# Allegro board visualscope011.brd (continued)
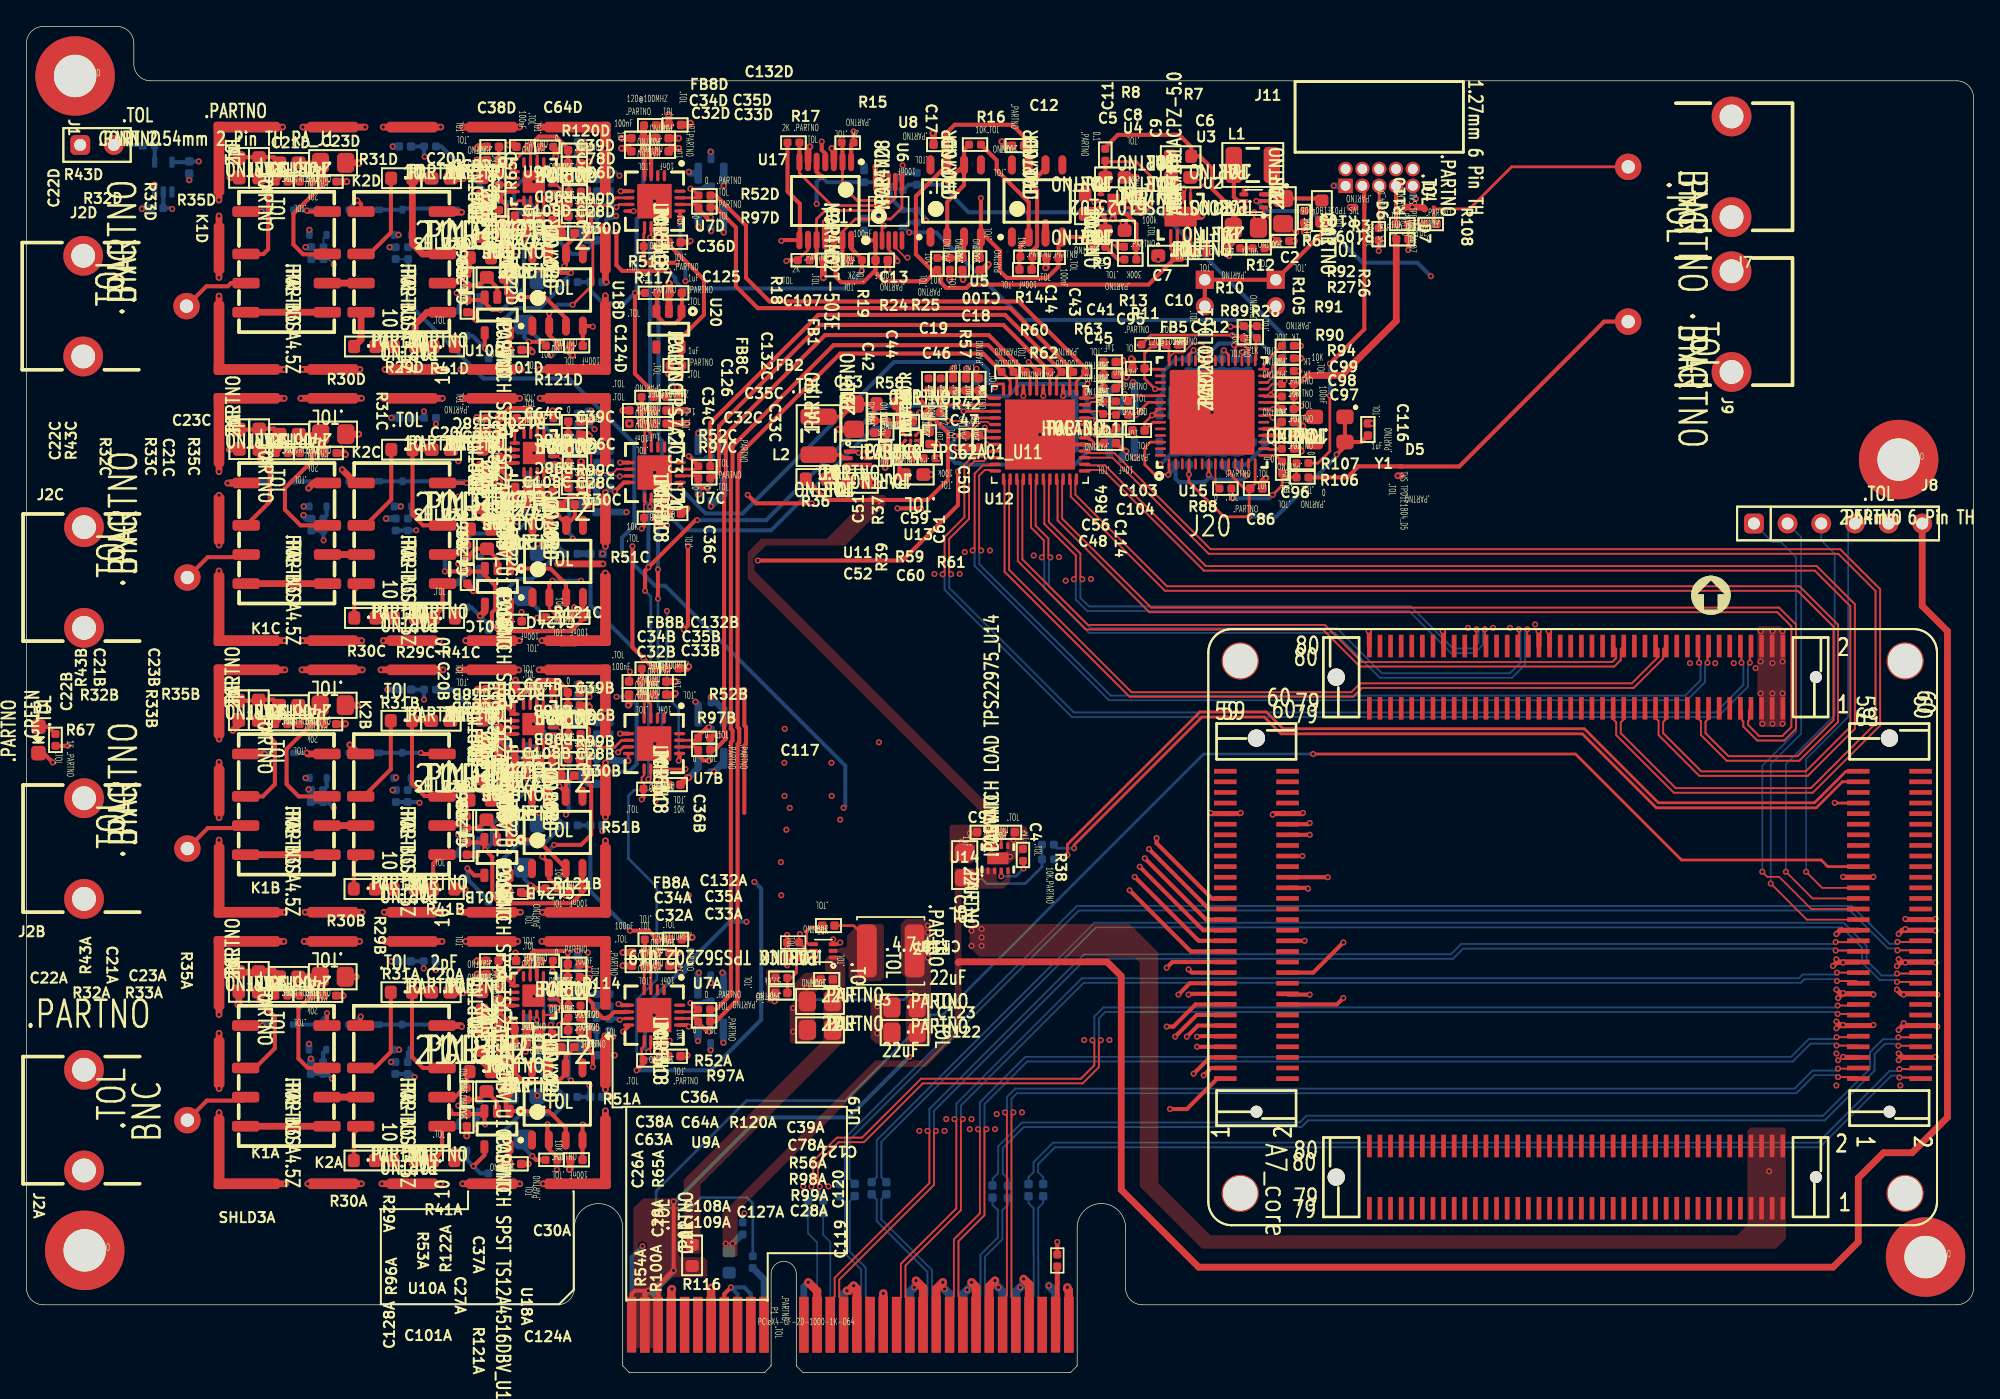
[diagram p0: board, top side]
## Placement (name value [footprint] x y rotation side) (continued)
R41C  10  [GEN_R_0603]  31.53 56.96 180 top
R41D  10  [GEN_R_0603]  31.52 77.44 180 top
R42  10K  [GEN_R_0402]  68.5 72.45 180 top
R43A  10  [GEN_R_0603]  17.53 29.49 270 top
R43B  10  [GEN_R_0603]  17.53 49.99 270 top
R43C  10  [GEN_R_0603]  17.56 70.45 270 top
R43D  10  [GEN_R_0603]  17.55 90.93 270 top
R44  10K  [GEN_R_0402]  68.38 72.25 180 bottom
R46  10K  [GEN_R_0402]  71.91 70.28 270 bottom
R47A  10K  [GEN_R_0402]  22.39 22.99 270 bottom
R47B  10K  [GEN_R_0402]  22.39 43.51 270 bottom
R47C  10K  [GEN_R_0402]  22.4 64 270 bottom
R47D  10K  [GEN_R_0402]  22.42 84.49 270 bottom
R48A  10K  [GEN_R_0402]  28.78 22.99 270 bottom
R48B  10K  [GEN_R_0402]  28.78 43.51 270 bottom
R48C  10K  [GEN_R_0402]  28.79 64.01 270 bottom
R48D  10K  [GEN_R_0402]  28.8 84.49 270 bottom
R49A  10K  [GEN_R_0402]  21.46 22.99 270 bottom
R49B  10K  [GEN_R_0402]  21.46 43.51 270 bottom
R49C  10K  [GEN_R_0402]  21.5 64 270 bottom
R49D  10K  [GEN_R_0402]  21.49 84.49 270 bottom
R50A  10K  [GEN_R_0402]  27.84 22.99 270 bottom
R50B  10K  [GEN_R_0402]  27.88 43.51 270 bottom
R50C  10K  [GEN_R_0402]  27.86 64.01 270 bottom
R50D  10K  [GEN_R_0402]  27.86 84.49 270 bottom
R51A  10K  [GEN_R_0402]  47.02 23.56 0 top
R51B  10K  [GEN_R_0402]  47.02 44.06 0 top
R51C  10K  [GEN_R_0402]  47.05 64.52 0 top
R51D  10K  [GEN_R_0402]  47.04 85 0 top
R52A  0  [GEN_R_0402]  51.14 27.41 0 top
R52B  0  [GEN_R_0402]  51.14 47.9 0 top
R52C  0  [GEN_R_0402]  51.16 68.4 0 top
R52D  0  [GEN_R_0402]  51.17 88.85 0 top
R53A  30  [GEN_R_0603]  34.24 22.71 0 top
R53B  30  [GEN_R_0603]  34.24 43.21 0 top
R53C  30  [GEN_R_0603]  34.28 63.66 0 top
R53D  30  [GEN_R_0603]  34.26 84.15 0 top
R54A  30  [GEN_R_0603]  34.38 25.07 90 top
R54B  30  [GEN_R_0603]  34.38 45.57 90 top
R54C  30  [GEN_R_0603]  34.42 66.03 90 top
R54D  30  [GEN_R_0603]  34.4 86.51 90 top
R55A  100k  [GEN_R_0402]  37.72 26.31 270 bottom
R55B  100k  [GEN_R_0402]  37.74 46.82 270 bottom
R55C  100k  [GEN_R_0402]  37.74 67.32 270 bottom
R55D  100k  [GEN_R_0402]  37.74 87.82 270 bottom
R56A  0  [GEN_R_0402]  41.36 28.77 0 top
R56B  0  [GEN_R_0402]  41.36 49.26 0 top
R56C  0  [GEN_R_0402]  41.4 69.72 0 top
R56D  0  [GEN_R_0402]  41.39 90.21 0 top
R57  100  [GEN_R_0402]  74.04 75.53 180 top
R58  0.01  [GEN_R_0603]  64.96 73.13 0 top
R59  261K  [GEN_R_0402]  66.34 69.01 180 top
R60  100  [GEN_R_0402]  75.86 75.53 180 top
R61  100k  [GEN_R_0402]  68.16 69.01 180 top
R62  100  [GEN_R_0402]  77.67 75.53 180 top
R63  100  [GEN_R_0402]  79.45 75.53 180 top
R64  100  [GEN_R_0402]  81.25 72.81 90 top
R65A  909k  [GEN_R_0402]  35.65 28.64 90 top
R65B  909k  [GEN_R_0402]  35.65 49.14 90 top
R65C  909k  [GEN_R_0402]  35.69 69.6 90 top
R65D  909k  [GEN_R_0402]  35.67 90.08 90 top
R66  10K  [GEN_R_0402]  54.05 10.87 270 bottom
R67  1K  [GEN_R_0402]  2.18 47.75 270 top
R84  49.9  [GEN_R_0402]  54.81 8.33 270 bottom
R86  0  [GEN_R_0402]  77.8 8.46 270 top
R87  0.01  [GEN_R_0603]  53.03 8.33 90 bottom
R88  0  [GEN_R_0402]  90.49 66.73 0 top
R89  10K  [GEN_R_0402]  91.88 78.54 270 top
R90  10K  [GEN_R_0402]  95.2 73.67 0 top
R91  10K  [GEN_R_0402]  95.2 74.61 0 top
R92  1K  [GEN_R_0402]  95.2 77.5 180 top
R93  1K  [GEN_R_0402]  95.17 72.68 180 bottom
R94  1K  [GEN_R_0402]  95.2 72.73 180 top
R96A  909k  [GEN_R_0402]  33.24 21.04 90 top
R96B  909k  [GEN_R_0402]  33.24 41.54 90 top
R96C  909k  [GEN_R_0402]  33.27 62 90 top
R96D  909k  [GEN_R_0402]  33.26 82.49 90 top
R97A  0  [GEN_R_0402]  51.14 26.5 0 top
R97B  0  [GEN_R_0402]  51.14 47 0 top
R97C  0  [GEN_R_0402]  51.16 67.5 0 top
R97D  0  [GEN_R_0402]  51.17 87.95 0 top
R98A  90.9k  [GEN_R_0402]  41.36 27.7 180 top
R98B  90.9k  [GEN_R_0402]  41.36 48.2 180 top
R98C  90.9k  [GEN_R_0402]  41.4 68.66 180 top
R98D  90.9k  [GEN_R_0402]  41.39 89.14 180 top
R99A  90.9k  [GEN_R_0402]  41.33 26.78 0 top
R99B  90.9k  [GEN_R_0402]  41.33 47.28 0 top
R99C  90.9k  [GEN_R_0402]  41.36 67.74 0 top
R99D  90.9k  [GEN_R_0402]  41.35 88.23 0 top
R100A  2K  [GEN_R_0402]  35.75 24.83 270 top
R100B  2K  [GEN_R_0402]  35.76 45.22 270 top
R100C  2K  [GEN_R_0402]  35.92 65.86 270 top
R100D  2K  [GEN_R_0402]  35.9 86.35 270 top
R101  10K  [GEN_R_0402]  77.09 39.84 180 bottom
R102  10K  [GEN_R_0402]  77.1 38.73 180 bottom
R103  10K  [GEN_R_0402]  102.06 85.93 270 top
R105  100k  [GEN_R_0402]  94.84 85.41 180 top
R106  0  [GEN_R_0402]  96.3 67.56 180 top
R107  0  [GEN_R_0402]  96.3 68.64 180 top
R108  0  [GEN_R_0402]  105.99 86.69 180 top
R109  0  [GEN_R_0402]  103.83 86.69 0 top
R110  10K  [GEN_R_0402]  103.83 85.55 0 top
R111  1K  [GEN_R_0402]  95.17 71.73 180 bottom
R113  57.6k  [GEN_R_0402]  56.97 29.79 180 top
R114  10K  [GEN_R_0402]  57.86 31.32 0 top
R115  10K  [GEN_R_0402]  57.86 32.46 180 top
R116  0.01  [GEN_R_0603]  50.24 8.84 90 top
R117  0.1  [GEN_R_0402]  47.13 81.5 0 top
R118A  1K  [GEN_R_0402]  43.03 28.12 90 bottom
R118B  1K  [GEN_R_0402]  43.05 48.63 90 bottom
R118C  1K  [GEN_R_0402]  43.08 69.13 90 bottom
R118D  1K  [GEN_R_0402]  43.05 89.62 90 bottom
R119A  1K  [GEN_R_0402]  44.01 28.12 270 bottom
R119B  1K  [GEN_R_0402]  44.02 48.63 270 bottom
R119C  1K  [GEN_R_0402]  44.04 69.13 270 bottom
R119D  1K  [GEN_R_0402]  44.03 89.62 270 bottom
R120A  0  [GEN_R_0402]  39.28 31.08 180 top
R120B  0  [GEN_R_0402]  39.28 51.57 180 top
R120C  0  [GEN_R_0402]  39.32 72.03 180 top
R120D  0  [GEN_R_0402]  39.31 92.52 180 top
R121A  10K  [GEN_R_0402]  39.62 16.05 0 top
R121B  10K  [GEN_R_0402]  39.62 36.55 0 top
R121C  10K  [GEN_R_0402]  39.66 57.01 0 top
R121D  10K  [GEN_R_0402]  39.65 77.5 0 top
R122A  90.9k  [GEN_R_0402]  36.23 22.91 270 top
R122B  90.9k  [GEN_R_0402]  36.23 43.41 270 top
R122C  90.9k  [GEN_R_0402]  36.27 63.87 270 top
R122D  90.9k  [GEN_R_0402]  36.26 84.35 270 top
R123A  DNP  [GEN_R_0402]  39.59 16.05 180 bottom
R123B  DNP  [GEN_R_0402]  39.62 36.55 180 bottom
R123C  DNP  [GEN_R_0402]  39.62 57.05 180 bottom
R123D  DNP  [GEN_R_0402]  39.61 77.56 180 bottom
R124A  5K  [BOU_3MM_POT]  37.55 19.29 0 bottom
R124B  5K  [BOU_3MM_POT]  37.58 39.8 0 bottom
R124C  5K  [BOU_3MM_POT]  37.58 60.3 0 bottom
R124D  5K  [BOU_3MM_POT]  37.58 80.8 0 bottom
R125A  10K  [GEN_R_0402]  35.31 15.04 0 bottom
R125B  10K  [GEN_R_0402]  35.32 35.53 0 bottom
R125C  10K  [GEN_R_0402]  35.33 56.04 0 bottom
R125D  10K  [GEN_R_0402]  35.33 76.54 0 bottom
R126A  10K  [GEN_R_0402]  33.26 20.13 90 bottom
R126B  10K  [GEN_R_0402]  33.27 40.61 90 bottom
R126C  10K  [GEN_R_0402]  33.27 61.12 90 bottom
R126D  10K  [GEN_R_0402]  33.29 81.64 90 bottom
R127A  10K  [GEN_R_0402]  34.2 20.13 90 bottom
R127B  10K  [GEN_R_0402]  34.23 40.61 90 bottom
R127C  10K  [GEN_R_0402]  34.23 61.12 90 bottom
R127D  10K  [GEN_R_0402]  34.23 81.64 90 bottom
SHLD3A  2118728-2  [TE_2118728-2]  29.11 23.39 0 top
SHLD3B  2118728-2  [TE_2118728-2]  29.12 43.89 0 top
SHLD3C  2118728-2  [TE_2118728-2]  29.11 64.39 0 top
SHLD3D  2118728-2  [TE_2118728-2]  29.11 84.86 0 top
U1  SN74LVC1G17  [GEN_SC-70-5]  10.32 90.23 90 bottom
U2  IC BOOST TPS61023_U2  [TI_SOT563_DRL0006A]  92.62 88.43 180 top
U3  ADM7171ACPZ-5.0  [AD_DFN8_CP-8-21]  87.11 87.25 90 top
U4  LM27761  [TI_WSON8_DSG0008A]  82.04 88.18 0 top
U5  OP07CDR  [TI_SOIC8_D0008A]  76.28 88.43 90 top
U6  MCP4728  [MC_MSOP10_UN]  65.07 87.66 90 top
U7A  LMH6518  [TI_WQFN_RGH0016A]  47.37 26.97 270 top
U7B  LMH6518  [TI_WQFN_RGH0016A]  47.37 47.47 270 top
U7C  LMH6518  [TI_WQFN_RGH0016A]  47.41 67.93 270 top
U7D  LMH6518  [TI_WQFN_RGH0016A]  47.4 88.42 270 top
U8  OP07CDR  [TI_SOIC8_D0008A]  70.13 88.43 90 top
U9A  BUF802  [TI_VQFN_RGT0016C]  38.26 28.45 0 top
U9B  BUF802  [TI_VQFN_RGT0016C]  38.26 48.95 0 top
U9C  BUF802  [TI_VQFN_RGT0016C]  38.3 69.41 0 top
U9D  BUF802  [TI_VQFN_RGT0016C]  38.29 89.89 0 top
U10A  IC SWITCH SPST TS12A4516DBV_U10  [GEN_SOT23_5_950_2900X1600X1450]  35.51 18.38 270 top
U10B  IC SWITCH SPST TS12A4516DBV_U10  [GEN_SOT23_5_950_2900X1600X1450]  35.51 38.87 270 top
U10C  IC SWITCH SPST TS12A4516DBV_U10  [GEN_SOT23_5_950_2900X1600X1450]  35.55 59.33 270 top
U10D  IC SWITCH SPST TS12A4516DBV_U10  [GEN_SOT23_5_950_2900X1600X1450]  35.53 79.82 270 top
U11  IC BUCK TPS62A01_U11  [TI_SOT563_DRL0006A]  62.77 69.01 0 top
U12  HMCAD1511  [AD_QFN48_LP7]  76.49 70.8 0 top
U13  LD57100JR  [ST_FLIPCHIP6]  66.73 70.55 90 top
U14  IC SWITCH LOAD TPS22975_U14  [TI_WSON8_DSG0008A]  73.32 38.81 90 top
U15  ZL30260LDG1  [MC_QFN56_ZL30260]  89.48 72.48 90 top
U17  MCP4432T-503E  [MC_TSSOP14]  60.29 88.43 270 top
U18A  OP07CDR  [TI_SOIC8_D0008A]  40.06 20.27 90 top
U18B  OP07CDR  [TI_SOIC8_D0008A]  40.06 40.77 90 top
U18C  OP07CDR  [TI_SOIC8_D0008A]  40.1 61.23 90 top
U18D  OP07CDR  [TI_SOIC8_D0008A]  40.08 81.71 90 top
U19  IC BUCK TPS562202_U19  [TI_SOT563_DRL0006A]  60.15 31.83 180 top
U20  IC LDO TPS7A2033_U20  [GEN_SOT23_5_950_2900X1600X1450]  48.49 78.75 270 top
Y1  10MHz  [ECS_TXO-3225]  98.36 71.18 180 top

## Library data of the parts
C1 = CAP 100nF 16V X7R 0402_C1: Tolerance: .TOL; User Part Number: .PARTNO
C2 = CAP 22uF 25V X5R 0805_C2: Tolerance: .TOL; User Part Number: .PARTNO
C3 = CAP 22uF 25V X5R 0805_C3: Tolerance: .TOL; User Part Number: .PARTNO
C4 = CAP 1nF 50V C0G 0402_C4: Tolerance: .TOL; User Part Number: .PARTNO
C5 = CAP 10uF 10V X5R 0603_C5: Tolerance: .TOL; User Part Number: .PARTNO
C6 = CAP 10uF 10V X5R 0603_C6: Tolerance: .TOL; User Part Number: .PARTNO
C7 = CAP 10uF 10V X5R 0603_C7: Tolerance: .TOL; User Part Number: .PARTNO
C8 = CAP 10uF 10V X5R 0603_C8: Tolerance: .TOL; User Part Number: .PARTNO
C9 = CAP 1uF 25V X5R 0402_C9: Tolerance: .TOL; User Part Number: .PARTNO
C10 = CAP 10nF 50V X7R 0402_C10: Tolerance: .TOL; User Part Number: .PARTNO
C11 = CAP 10uF 10V X5R 0603_C11: Tolerance: .TOL; User Part Number: .PARTNO
C12 = CAP 100nF 16V X7R 0402_C12: Tolerance: .TOL; User Part Number: .PARTNO
C13 = CAP 100nF 16V X7R 0402_C13: Tolerance: .TOL; User Part Number: .PARTNO
C14 = CAP 100nF 16V X7R 0402_C14: Tolerance: .TOL; User Part Number: .PARTNO
C15 = CAP 100nF 6.3V X5R 0201_C15: Tolerance: .TOL; User Part Number: .PARTNO
C17 = CAP 100nF 16V X7R 0402_C17: Tolerance: .TOL; User Part Number: .PARTNO
C18 = CAP 100nF 16V X7R 0402_C18: Tolerance: .TOL; User Part Number: .PARTNO
C19 = CAP 100nF 16V X7R 0402_C19: Tolerance: .TOL; User Part Number: .PARTNO
C20A C20B C20C C20D = CAP 2pF 250V C0G 0603_C20: Tolerance: .TOL; User Part Number: .PARTNO
C21A C21B C21C C21D = CAP 5.1pF 250V C0G 0603_C21: Tolerance: .TOL; User Part Number: .PARTNO
C22A C22B C22C C22D = CAP 2pF 250V C0G 0603_C22: Tolerance: .TOL; User Part Number: .PARTNO
C23A C23B C23C C23D = CAP 240pF 250V C0G 0805_C23: Tolerance: .TOL; User Part Number: .PARTNO
C26A C26B C26C C26D = CAP 22nF 100V X7R 0603_C26: Tolerance: .TOL; User Part Number: .PARTNO
C27A C27B C27C C27D = CAP 22nF 100V X7R 0603_C27: Tolerance: .TOL; User Part Number: .PARTNO
C28A C28B C28C C28D = CAP 100nF 16V X7R 0402_C28: Tolerance: .TOL; User Part Number: .PARTNO
C29A C29B C29C C29D = CAP 100pF 50V C0G 0402_C29: Tolerance: .TOL; User Part Number: .PARTNO
C30A C30B C30C C30D = CAP 100pF 50V C0G 0402_C30: Tolerance: .TOL; User Part Number: .PARTNO
C31A C31B C31C C31D = CAP 100nF 16V X7R 0402_C31: Tolerance: .TOL; User Part Number: .PARTNO
C32A C32B C32C C32D = CAP 1nF 50V C0G 0402_C32: Tolerance: .TOL; User Part Number: .PARTNO
C33A C33B C33C C33D = CAP 10nF 50V X7R 0402_C33: Tolerance: .TOL; User Part Number: .PARTNO
C34A C34B C34C C34D = CAP 100nF 16V X7R 0402_C34: Tolerance: .TOL; User Part Number: .PARTNO
C35A C35B C35C C35D = CAP 1uF 25V X5R 0402_C35: Tolerance: .TOL; User Part Number: .PARTNO
C36A C36B C36C C36D = CAP 100nF 16V X7R 0402_C36: Tolerance: .TOL; User Part Number: .PARTNO
C37A C37B C37C C37D = CAP 100nF 16V X7R 0402_C37: Tolerance: .TOL; User Part Number: .PARTNO
C38A C38B C38C C38D = CAP 2.2uF 10V X5R 0402_C38: Tolerance: .TOL; User Part Number: .PARTNO
C39A C39B C39C C39D = CAP 100nF 16V X7R 0402_C39: Tolerance: .TOL; User Part Number: .PARTNO
C40 = CAP 100nF 6.3V X5R 0201_C40: Tolerance: .TOL; User Part Number: .PARTNO
C41 = CAP 1uF 25V X5R 0402_C41: Tolerance: .TOL; User Part Number: .PARTNO
C42 = CAP 1uF 25V X5R 0402_C42: Tolerance: .TOL; User Part Number: .PARTNO
C43 = CAP 10nF 50V X7R 0402_C43: Tolerance: .TOL; User Part Number: .PARTNO
C44 = CAP 10nF 50V X7R 0402_C44: Tolerance: .TOL; User Part Number: .PARTNO
C45 = CAP 1nF 50V C0G 0402_C45: Tolerance: .TOL; User Part Number: .PARTNO
C46 = CAP 1nF 50V C0G 0402_C46: Tolerance: .TOL; User Part Number: .PARTNO
C47 = CAP 10nF 50V X7R 0402_C47: Tolerance: .TOL; User Part Number: .PARTNO
C48 = CAP 10nF 50V X7R 0402_C48: Tolerance: .TOL; User Part Number: .PARTNO
C49 = CAP 1uF 25V X5R 0402_C49: Tolerance: .TOL; User Part Number: .PARTNO
C50 = CAP 1uF 25V X5R 0402_C50: Tolerance: .TOL; User Part Number: .PARTNO
C51 = CAP 39pF 50V C0G 0402_C51: Tolerance: .TOL; User Part Number: .PARTNO
C52 = CAP 10uF 10V X5R 0603_C52: Tolerance: .TOL; User Part Number: .PARTNO
C53 = CAP 22uF 25V X5R 0805_C53: Tolerance: .TOL; User Part Number: .PARTNO
C54 = CAP 1uF 25V X5R 0402_C54: Tolerance: .TOL; User Part Number: .PARTNO
C55 = CAP 10nF 50V X7R 0402_C55: Tolerance: .TOL; User Part Number: .PARTNO
C56 = CAP 1nF 50V C0G 0402_C56: Tolerance: .TOL; User Part Number: .PARTNO
C57 = CAP 10nF 50V X7R 0402_C57: Tolerance: .TOL; User Part Number: .PARTNO
C58 = CAP 1uF 25V X5R 0402_C58: Tolerance: .TOL; User Part Number: .PARTNO
C59 = CAP 100nF 16V X7R 0402_C59: Tolerance: .TOL; User Part Number: .PARTNO
C60 = CAP 10uF 10V X5R 0603_C60: Tolerance: .TOL; User Part Number: .PARTNO
C61 = CAP 2.2uF 10V X5R 0402_C61: Tolerance: .TOL; User Part Number: .PARTNO
C62 = CAP 100nF 6.3V X5R 0201_C62: Tolerance: .TOL; User Part Number: .PARTNO
C63A C63B C63C C63D = CAP 100nF 16V X7R 0402_C63: Tolerance: .TOL; User Part Number: .PARTNO
C64A C64B C64C C64D = CAP 100nF 16V X7R 0402_C64: Tolerance: .TOL; User Part Number: .PARTNO
C66 = CAP 100nF 6.3V X5R 0201_C66: Tolerance: .TOL; User Part Number: .PARTNO
C67 = CAP 100nF 6.3V X5R 0201_C67: Tolerance: .TOL; User Part Number: .PARTNO
C70 = CAP 100nF 6.3V X5R 0201_C70: Tolerance: .TOL; User Part Number: .PARTNO
C71 = CAP 100nF 6.3V X5R 0201_C71: Tolerance: .TOL; User Part Number: .PARTNO
C74 = CAP 100nF 6.3V X5R 0201_C74: Tolerance: .TOL; User Part Number: .PARTNO
C75 = CAP 100nF 6.3V X5R 0201_C75: Tolerance: .TOL; User Part Number: .PARTNO
C78A C78B C78C C78D = CAP 100nF 16V X7R 0402_C78: Tolerance: .TOL; User Part Number: .PARTNO
C79 = CAP 100nF 6.3V X5R 0201_C79: Tolerance: .TOL; User Part Number: .PARTNO
C82 = CAP 1uF 25V X5R 0402_C82: Tolerance: .TOL; User Part Number: .PARTNO
C83 = CAP 1uF 25V X5R 0402_C83: Tolerance: .TOL; User Part Number: .PARTNO
C84 = CAP 1uF 25V X5R 0402_C84: Tolerance: .TOL; User Part Number: .PARTNO
C85 = CAP 1uF 25V X5R 0402_C85: Tolerance: .TOL; User Part Number: .PARTNO
C86 = CAP 1uF 25V X5R 0402_C86: Tolerance: .TOL; User Part Number: .PARTNO
C87 = CAP 1uF 25V X5R 0402_C87: Tolerance: .TOL; User Part Number: .PARTNO
C88 = CAP 1uF 25V X5R 0402_C88: Tolerance: .TOL; User Part Number: .PARTNO
C89 = CAP 1uF 25V X5R 0402_C89: Tolerance: .TOL; User Part Number: .PARTNO
C90 = CAP 1uF 25V X5R 0402_C90: Tolerance: .TOL; User Part Number: .PARTNO
C91 = CAP 22uF 25V X5R 0805_C91: Tolerance: .TOL; User Part Number: .PARTNO
C92 = CAP 1uF 25V X5R 0402_C92: Tolerance: .TOL; User Part Number: .PARTNO
C93 = CAP 1uF 25V X5R 0402_C93: Tolerance: .TOL; User Part Number: .PARTNO
C94 = CAP 1uF 25V X5R 0402_C94: Tolerance: .TOL; User Part Number: .PARTNO
C95 = CAP 1uF 25V X5R 0402_C95: Tolerance: .TOL; User Part Number: .PARTNO
C96 = RES 0 OHM 1/16W 0402_C96: Tolerance: .TOL; User Part Number: .PARTNO
C97 = RES 0 OHM 1/16W 0402_C97: Tolerance: .TOL; User Part Number: .PARTNO
C98 = CAP 100nF 16V X7R 0402_C98: Tolerance: .TOL; User Part Number: .PARTNO
C99 = CAP 100nF 16V X7R 0402_C99: Tolerance: .TOL; User Part Number: .PARTNO
C100 = CAP 100nF 16V X7R 0402_C100: Tolerance: .TOL; User Part Number: .PARTNO
C101A C101B C101C C101D = CAP 100nF 16V X7R 0402_C101: Tolerance: .TOL; User Part Number: .PARTNO
C102A C102B C102C C102D = CAP 2.2uF 10V X5R 0402_C102: Tolerance: .TOL; User Part Number: .PARTNO
C103 = RES 0 OHM 1/16W 0402_C103: Tolerance: .TOL; User Part Number: .PARTNO
C104 = RES 0 OHM 1/16W 0402_C104: Tolerance: .TOL; User Part Number: .PARTNO
C107 = CAP 100nF 16V X7R 0402_C107: Tolerance: .TOL; User Part Number: .PARTNO
C108A C108B C108C C108D = CAP 100nF 16V X7R 0402_C108: Tolerance: .TOL; User Part Number: .PARTNO
C109A C109B C109C C109D = CAP 100nF 16V X7R 0402_C109: Tolerance: .TOL; User Part Number: .PARTNO
C110A C110B C110C C110D = CAP 100nF 16V X7R 0402_C110: Tolerance: .TOL; User Part Number: .PARTNO
C111A C111B C111C C111D = CAP 2.2uF 10V X5R 0402_C111: Tolerance: .TOL; User Part Number: .PARTNO
C112 = CAP 1uF 25V X5R 0402_C112: Tolerance: .TOL; User Part Number: .PARTNO
C113 = CAP 1uF 25V X5R 0402_C113: Tolerance: .TOL; User Part Number: .PARTNO
C114 = CAP 1uF 25V X5R 0402_C114: Tolerance: .TOL; User Part Number: .PARTNO
C115 = CAP 1uF 25V X5R 0402_C115: Tolerance: .TOL; User Part Number: .PARTNO
C116 = CAP 1uF 25V X5R 0402_C116: Tolerance: .TOL; User Part Number: .PARTNO
C117 = CAP 100nF 16V X7R 0402_C117: Tolerance: .TOL; User Part Number: .PARTNO
C118 = CAP 39pF 50V C0G 0402_C118: Tolerance: .TOL; User Part Number: .PARTNO
C119 = CAP 22uF 25V X5R 0805_C119: Tolerance: .TOL; User Part Number: .PARTNO
C120 = CAP 22uF 25V X5R 0805_C120: Tolerance: .TOL; User Part Number: .PARTNO
C121 = CAP 100nF 16V X7R 0402_C121: Tolerance: .TOL; User Part Number: .PARTNO
C122 = CAP 22uF 25V X5R 0805_C122: Tolerance: .TOL; User Part Number: .PARTNO
C123 = CAP 22uF 25V X5R 0805_C123: Tolerance: .TOL; User Part Number: .PARTNO
C124A C124B C124C C124D = CAP 100nF 16V X7R 0402_C124: Tolerance: .TOL; User Part Number: .PARTNO
C125 = CAP 1uF 25V X5R 0402_C125: Tolerance: .TOL; User Part Number: .PARTNO
C126 = CAP 1uF 25V X5R 0402_C126: Tolerance: .TOL; User Part Number: .PARTNO
C127A C127B C127C C127D = CAP 100nF 16V X7R 0402_C127: Tolerance: .TOL; User Part Number: .PARTNO
C128A C128B C128C C128D = CAP 100nF 16V X7R 0402_C128: Tolerance: .TOL; User Part Number: .PARTNO
C129A C129B C129C C129D = CAP 100nF 16V X7R 0402_C129: Tolerance: .TOL; User Part Number: .PARTNO
C130A C130B C130C C130D = CAP 100nF 16V X7R 0402_C130: Tolerance: .TOL; User Part Number: .PARTNO
C131A C131B C131C C131D = CAP 100nF 16V X7R 0402_C131: Tolerance: .TOL; User Part Number: .PARTNO
C132A C132B C132C C132D = CAP 1uF 25V X5R 0402_C132: Tolerance: .TOL; User Part Number: .PARTNO
C133A C133B C133C C133D = CAP 2.2uF 10V X5R 0402_C133: Tolerance: .TOL; User Part Number: .PARTNO
C134 = CAP 100nF 16V X7R 0402_C134: Tolerance: .TOL; User Part Number: .PARTNO
D1 = LED GREEN 0603 LTST-S270K_D1: Tolerance: .TOL; User Part Number: .PARTNO
D2A D2B D2C D2D = DIODE 1N4148_D2: Tolerance: .TOL; User Part Number: .PARTNO
D3A D3B D3C D3D = DIODE 1N4148_D3: Tolerance: .TOL; User Part Number: .PARTNO
D4-D7 = TVS TPD1E1B04: Tolerance: .TOL; User Part Number: .PARTNO
FB1-FB3 FB5 FB7A FB7B FB7C FB7D FB8A FB8B FB8C FB8D FB9A FB9B FB9C FB9D FB10A FB10B FB10C FB10D = FERRITE BEAD 120 OHM 0402: Tolerance: .TOL; User Part Number: .PARTNO
FB4A FB4B FB4C FB4D = RES 0 OHM 1/16W 0402_FB4: Tolerance: .TOL; User Part Number: .PARTNO
FB6A FB6B FB6C FB6D = RES 0 OHM 1/16W 0402_FB6: Tolerance: .TOL; User Part Number: .PARTNO
J1 = CONN 2.54mm 2 Pin TH RA_J1: Tolerance: .TOL; User Part Number: .PARTNO
J2A J2B J2C J2D J7 J9 = BNC: Tolerance: .TOL; User Part Number: .PARTNO
J3A J3B J3C J3D J4A J4B J4C J4D J5 J6 = BNC_SMD: Tolerance: .TOL; User Part Number: .PARTNO
J8 = CONN 2.54mm 6 Pin TH RA_J8: Tolerance: .TOL; User Part Number: .PARTNO
J11 = CONN 1.27mm 2x5 Pin TH RA_J11: Tolerance: .TOL; User Part Number: .PARTNO
J12 = CONN JST PH 2 Pin TH_J12: Tolerance: .TOL; User Part Number: .PARTNO
J13 = CONN JST PH 2 Pin TH_J13: Tolerance: .TOL; User Part Number: .PARTNO
J20 = A7_core
K1A K1B K1C K1D = RELAY DPDT-NO FTR-B3SA4.5Z_K1: Tolerance: .TOL; User Part Number: .PARTNO
K2A K2B K2C K2D = RELAY DPDT-NO FTR-B3SA4.5Z_K2: Tolerance: .TOL; User Part Number: .PARTNO
L1 = IND 1uH 3.1A 45 MOHM 1210_L1: Tolerance: .TOL; User Part Number: .PARTNO
L2 = IND 1uH 3.1A 45 MOHM 1210_L2: Tolerance: .TOL; User Part Number: .PARTNO
L3 = IND 4.7uH 2.6A 35 MOHM SMD_L3: Tolerance: .TOL; User Part Number: .PARTNO
MH1 = MH M3_MH1: Tolerance: .TOL; User Part Number: .PARTNO
MH2 = MH M3_MH2: Tolerance: .TOL; User Part Number: .PARTNO
MH3 = MH M3_MH3: Tolerance: .TOL; User Part Number: .PARTNO
MH4 = MH M3_MH4: Tolerance: .TOL; User Part Number: .PARTNO
P1 = PCIeX4-GF-2D-1000-1K-O64_P1: Tolerance: .TOL; User Part Number: .PARTNO
Q1 = NMOS DMN62D0UW_Q1: Tolerance: .TOL; User Part Number: .PARTNO
Q2 = NMOS DMN62D0UW_Q2: Tolerance: .TOL; User Part Number: .PARTNO
Q3A Q3B Q3C Q3D = NMOS DMN62D0UW_Q3: Tolerance: .TOL; User Part Number: .PARTNO
Q4A Q4B Q4C Q4D = NMOS DMN62D0UW_Q4: Tolerance: .TOL; User Part Number: .PARTNO
Q5A Q5B Q5C Q5D = NMOS DMN62D0UW_Q5: Tolerance: .TOL; User Part Number: .PARTNO
R1 = RES 0 OHM 1/16W 0402_R1: Tolerance: .TOL; User Part Number: .PARTNO
R2 = RES 10K OHM 1% 1/10W 0402_R2: Tolerance: .TOL; User Part Number: .PARTNO
R3 = RES 0.01 OHM 1% 1/4W 0603_R3: Tolerance: .TOL; User Part Number: .PARTNO
R6 = RES 10K OHM 1% 1/10W 0402_R6: Tolerance: .TOL; User Part Number: .PARTNO
R7 = RES 0.01 OHM 1% 1/4W 0603_R7: Tolerance: .TOL; User Part Number: .PARTNO
R8 = RES 0.1 OHM 1% 1/6W 0402_R8: Tolerance: .TOL; User Part Number: .PARTNO
R9 = RES 0.1 OHM 1% 1/6W 0402_R9: Tolerance: .TOL; User Part Number: .PARTNO
R10 = RES 680K OHM 1% 1/16W 0402_R10: Tolerance: .TOL; User Part Number: .PARTNO
R11 = RES 300K OHM 1% 1/10W 0402_R11: Tolerance: .TOL; User Part Number: .PARTNO
R12 = RES 90.9K OHM 1% 1/16W 0402_R12: Tolerance: .TOL; User Part Number: .PARTNO
R13 = RES 100K OHM 1% 1/10W 0402_R13: Tolerance: .TOL; User Part Number: .PARTNO
R14 = RES 10K OHM 1% 1/10W 0402_R14: Tolerance: .TOL; User Part Number: .PARTNO
R15 = RES 2K OHM 1% 1/16W 0402_R15: Tolerance: .TOL; User Part Number: .PARTNO
R16 = RES 10K OHM 1% 1/10W 0402_R16: Tolerance: .TOL; User Part Number: .PARTNO
R17 = RES 2K OHM 1% 1/16W 0402_R17: Tolerance: .TOL; User Part Number: .PARTNO
R18 = RES 2K OHM 1% 1/16W 0402_R18: Tolerance: .TOL; User Part Number: .PARTNO
R19 = RES 2K OHM 1% 1/16W 0402_R19: Tolerance: .TOL; User Part Number: .PARTNO
R20 = RES 10K OHM 1% 1/10W 0402_R20: Tolerance: .TOL; User Part Number: .PARTNO
R21 = RES 10K OHM 1% 1/10W 0402_R21: Tolerance: .TOL; User Part Number: .PARTNO
R22 = RES 10K OHM 1% 1/10W 0402_R22: Tolerance: .TOL; User Part Number: .PARTNO
R23 = RES 10K OHM 1% 1/10W 0402_R23: Tolerance: .TOL; User Part Number: .PARTNO
R24 = RES 10K OHM 1% 1/10W 0402_R24: Tolerance: .TOL; User Part Number: .PARTNO
R25 = RES 10K OHM 1% 1/10W 0402_R25: Tolerance: .TOL; User Part Number: .PARTNO
R26 = RES 1K OHM 1% 1/10W 0402_R26: Tolerance: .TOL; User Part Number: .PARTNO
R27 = RES 1K OHM 1% 1/10W 0402_R27: Tolerance: .TOL; User Part Number: .PARTNO
R28 = RES 1K OHM 1% 1/10W 0402_R28: Tolerance: .TOL; User Part Number: .PARTNO
R29A R29B R29C R29D = RES 30 OHM 1% 1/3W 0603_R29: Tolerance: .TOL; User Part Number: .PARTNO
R30A R30B R30C R30D = RES 10 OHM 1% 1/3W 0603_R30: Tolerance: .TOL; User Part Number: .PARTNO
R31A R31B R31C R31D = RES 10 OHM 1% 1/3W 0603_R31: Tolerance: .TOL; User Part Number: .PARTNO
R32A R32B R32C R32D = RES 300K OHM 1% 1/10W 0402_R32: Tolerance: .TOL; User Part Number: .PARTNO
R33A R33B R33C R33D = RES 680K OHM 1% 1/16W 0402_R33: Tolerance: .TOL; User Part Number: .PARTNO
R35A R35B R35C R35D = RES 20K OHM 1% 1/16W 0402_R35: Tolerance: .TOL; User Part Number: .PARTNO
R36 = RES 0.01 OHM 1% 1/4W 0603_R36: Tolerance: .TOL; User Part Number: .PARTNO
R37 = RES 220K OHM 1% 1/16W 0402_R37: Tolerance: .TOL; User Part Number: .PARTNO
R38 = RES 10K OHM 1% 1/10W 0402_R38: Tolerance: .TOL; User Part Number: .PARTNO
R39 = RES 100K OHM 1% 1/10W 0402_R39: Tolerance: .TOL; User Part Number: .PARTNO
R41A R41B R41C R41D = RES 10 OHM 1% 1/3W 0603_R41: Tolerance: .TOL; User Part Number: .PARTNO
R42 = RES 10K OHM 1% 1/10W 0402_R42: Tolerance: .TOL; User Part Number: .PARTNO
R43A R43B R43C R43D = RES 10 OHM 1% 1/3W 0603_R43: Tolerance: .TOL; User Part Number: .PARTNO
R44 = RES 10K OHM 1% 1/10W 0402_R44: Tolerance: .TOL; User Part Number: .PARTNO
R46 = RES 10K OHM 1% 1/10W 0402_R46: Tolerance: .TOL; User Part Number: .PARTNO
R47A R47B R47C R47D = RES 10K OHM 1% 1/10W 0402_R47: Tolerance: .TOL; User Part Number: .PARTNO
R48A R48B R48C R48D = RES 10K OHM 1% 1/10W 0402_R48: Tolerance: .TOL; User Part Number: .PARTNO
R49A R49B R49C R49D = RES 10K OHM 1% 1/10W 0402_R49: Tolerance: .TOL; User Part Number: .PARTNO
R50A R50B R50C R50D = RES 10K OHM 1% 1/10W 0402_R50: Tolerance: .TOL; User Part Number: .PARTNO
R51A R51B R51C R51D = RES 10K OHM 1% 1/10W 0402_R51: Tolerance: .TOL; User Part Number: .PARTNO
R52A R52B R52C R52D = RES 0 OHM 1/16W 0402_R52: Tolerance: .TOL; User Part Number: .PARTNO
R53A R53B R53C R53D = RES 30 OHM 1% 1/3W 0603_R53: Tolerance: .TOL; User Part Number: .PARTNO
R54A R54B R54C R54D = RES 30 OHM 1% 1/3W 0603_R54: Tolerance: .TOL; User Part Number: .PARTNO
R55A R55B R55C R55D = RES 100K OHM 1% 1/10W 0402_R55: Tolerance: .TOL; User Part Number: .PARTNO
R56A R56B R56C R56D = RES 0 OHM 1/16W 0402_R56: Tolerance: .TOL; User Part Number: .PARTNO
R57 = RES 100 OHM 1% 1/10W 0402_R57: Tolerance: .TOL; User Part Number: .PARTNO
R58 = RES 0.01 OHM 1% 1/4W 0603_R58: Tolerance: .TOL; User Part Number: .PARTNO
R59 = RES 261K OHM 1% 1/16W 0402_R59: Tolerance: .TOL; User Part Number: .PARTNO
R60 = RES 100 OHM 1% 1/10W 0402_R60: Tolerance: .TOL; User Part Number: .PARTNO
R61 = RES 100K OHM 1% 1/10W 0402_R61: Tolerance: .TOL; User Part Number: .PARTNO
R62 = RES 100 OHM 1% 1/10W 0402_R62: Tolerance: .TOL; User Part Number: .PARTNO
R63 = RES 100 OHM 1% 1/10W 0402_R63: Tolerance: .TOL; User Part Number: .PARTNO
R64 = RES 100 OHM 1% 1/10W 0402_R64: Tolerance: .TOL; User Part Number: .PARTNO
R65A R65B R65C R65D = RES 909K OHM 1% 1/16W 0402_R65: Tolerance: .TOL; User Part Number: .PARTNO
R66 = RES 10K OHM 1% 1/10W 0402_R66: Tolerance: .TOL; User Part Number: .PARTNO
R67 = RES 1K OHM 1% 1/10W 0402_R67: Tolerance: .TOL; User Part Number: .PARTNO
R84 = RES 49.9 OHM 1% 1/10W 0402_R84: Tolerance: .TOL; User Part Number: .PARTNO
R86 = RES 0 OHM 1/16W 0402_R86: Tolerance: .TOL; User Part Number: .PARTNO
R87 = RES 0.01 OHM 1% 1/4W 0603_R87: Tolerance: .TOL; User Part Number: .PARTNO
R88 = RES 0 OHM 1/16W 0402_R88: Tolerance: .TOL; User Part Number: .PARTNO
R89 = RES 10K OHM 1% 1/10W 0402_R89: Tolerance: .TOL; User Part Number: .PARTNO
R90 = RES 10K OHM 1% 1/10W 0402_R90: Tolerance: .TOL; User Part Number: .PARTNO
R91 = RES 10K OHM 1% 1/10W 0402_R91: Tolerance: .TOL; User Part Number: .PARTNO
R92 = RES 1K OHM 1% 1/10W 0402_R92: Tolerance: .TOL; User Part Number: .PARTNO
R93 = RES 1K OHM 1% 1/10W 0402_R93: Tolerance: .TOL; User Part Number: .PARTNO
R94 = RES 1K OHM 1% 1/10W 0402_R94: Tolerance: .TOL; User Part Number: .PARTNO
R96A R96B R96C R96D = RES 909K OHM 1% 1/16W 0402_R96: Tolerance: .TOL; User Part Number: .PARTNO
R97A R97B R97C R97D = RES 0 OHM 1/16W 0402_R97: Tolerance: .TOL; User Part Number: .PARTNO
R98A R98B R98C R98D = RES 90.9K OHM 1% 1/16W 0402_R98: Tolerance: .TOL; User Part Number: .PARTNO
R99A R99B R99C R99D = RES 90.9K OHM 1% 1/16W 0402_R99: Tolerance: .TOL; User Part Number: .PARTNO
R100A R100B R100C R100D = RES 2K OHM 1% 1/16W 0402_R100: Tolerance: .TOL; User Part Number: .PARTNO
R101 = RES 10K OHM 1% 1/10W 0402_R101: Tolerance: .TOL; User Part Number: .PARTNO
R102 = RES 10K OHM 1% 1/10W 0402_R102: Tolerance: .TOL; User Part Number: .PARTNO
R103 = RES 10K OHM 1% 1/10W 0402_R103: Tolerance: .TOL; User Part Number: .PARTNO
R105 = RES 100K OHM 1% 1/10W 0402_R105: Tolerance: .TOL; User Part Number: .PARTNO
R106 = RES 0 OHM 1/16W 0402_R106: Tolerance: .TOL; User Part Number: .PARTNO
R107 = RES 0 OHM 1/16W 0402_R107: Tolerance: .TOL; User Part Number: .PARTNO
R108 = RES 0 OHM 1/16W 0402_R108: Tolerance: .TOL; User Part Number: .PARTNO
R109 = RES 0 OHM 1/16W 0402_R109: Tolerance: .TOL; User Part Number: .PARTNO
R110 = RES 10K OHM 1% 1/10W 0402_R110: Tolerance: .TOL; User Part Number: .PARTNO
R111 = RES 1K OHM 1% 1/10W 0402_R111: Tolerance: .TOL; User Part Number: .PARTNO
R113 = RES 57.6K OHM 1% 1/16W 040_R113: Tolerance: .TOL; User Part Number: .PARTNO
R114 = RES 10K OHM 1% 1/10W 0402_R114: Tolerance: .TOL; User Part Number: .PARTNO
R115 = RES 10K OHM 1% 1/10W 0402_R115: Tolerance: .TOL; User Part Number: .PARTNO
R116 = RES 0.01 OHM 1% 1/4W 0603_R116: Tolerance: .TOL; User Part Number: .PARTNO
R117 = RES 0.1 OHM 1% 1/6W 0402_R117: Tolerance: .TOL; User Part Number: .PARTNO
R118A R118B R118C R118D = RES 1K OHM 1% 1/10W 0402_R118: Tolerance: .TOL; User Part Number: .PARTNO
R119A R119B R119C R119D = RES 1K OHM 1% 1/10W 0402_R119: Tolerance: .TOL; User Part Number: .PARTNO
R120A R120B R120C R120D = RES 0 OHM 1/16W 0402_R120: Tolerance: .TOL; User Part Number: .PARTNO
R121A R121B R121C R121D = RES 10K OHM 1% 1/10W 0402_R121: Tolerance: .TOL; User Part Number: .PARTNO
R122A R122B R122C R122D = RES 90.9K OHM 1% 1/16W 040_R122: Tolerance: .TOL; User Part Number: .PARTNO
R123A R123B R123C R123D = RES DNP 0402_R123: Tolerance: .TOL; User Part Number: .PARTNO
R124A R124B R124C R124D = TRIMMER 5K OHM 0.1W J LEAD_R124: Tolerance: .TOL; User Part Number: .PARTNO
R125A R125B R125C R125D = RES 10K OHM 1% 1/10W 0402_R125: Tolerance: .TOL; User Part Number: .PARTNO
R126A R126B R126C R126D = RES 10K OHM 1% 1/10W 0402_R126: Tolerance: .TOL; User Part Number: .PARTNO
R127A R127B R127C R127D = RES 10K OHM 1% 1/10W 0402_R127: Tolerance: .TOL; User Part Number: .PARTNO
SHLD3A SHLD3B SHLD3C SHLD3D = SHIELD 2118728-2: Tolerance: .TOL; User Part Number: .PARTNO
U1 = IC BUFFER SN74LVC1G17_U1: Tolerance: .TOL; User Part Number: .PARTNO
U2 = IC BOOST TPS61023_U2: Tolerance: .TOL; User Part Number: .PARTNO
U3 = IC LDO ADM7171ACPZ-5.0_U3: Tolerance: .TOL; User Part Number: .PARTNO
U4 = IC CPUMP LM27761_U4: Tolerance: .TOL; User Part Number: .PARTNO
U5 U8 U18A U18B U18C U18D = IC OPAMP OP07CDR: Tolerance: .TOL; User Part Number: .PARTNO
U6 = IC DAC QUAD MCP4728_U6: Tolerance: .TOL; User Part Number: .PARTNO
U7A U7B U7C U7D = IC PGA LMH6518_U7: Tolerance: .TOL; User Part Number: .PARTNO
U9A U9B U9C U9D = IC BUFFER AMP BUF802_U9: Tolerance: .TOL; User Part Number: .PARTNO
